# KiCad board edc-mux-board-fpga-main.kicad_pcb (continued)
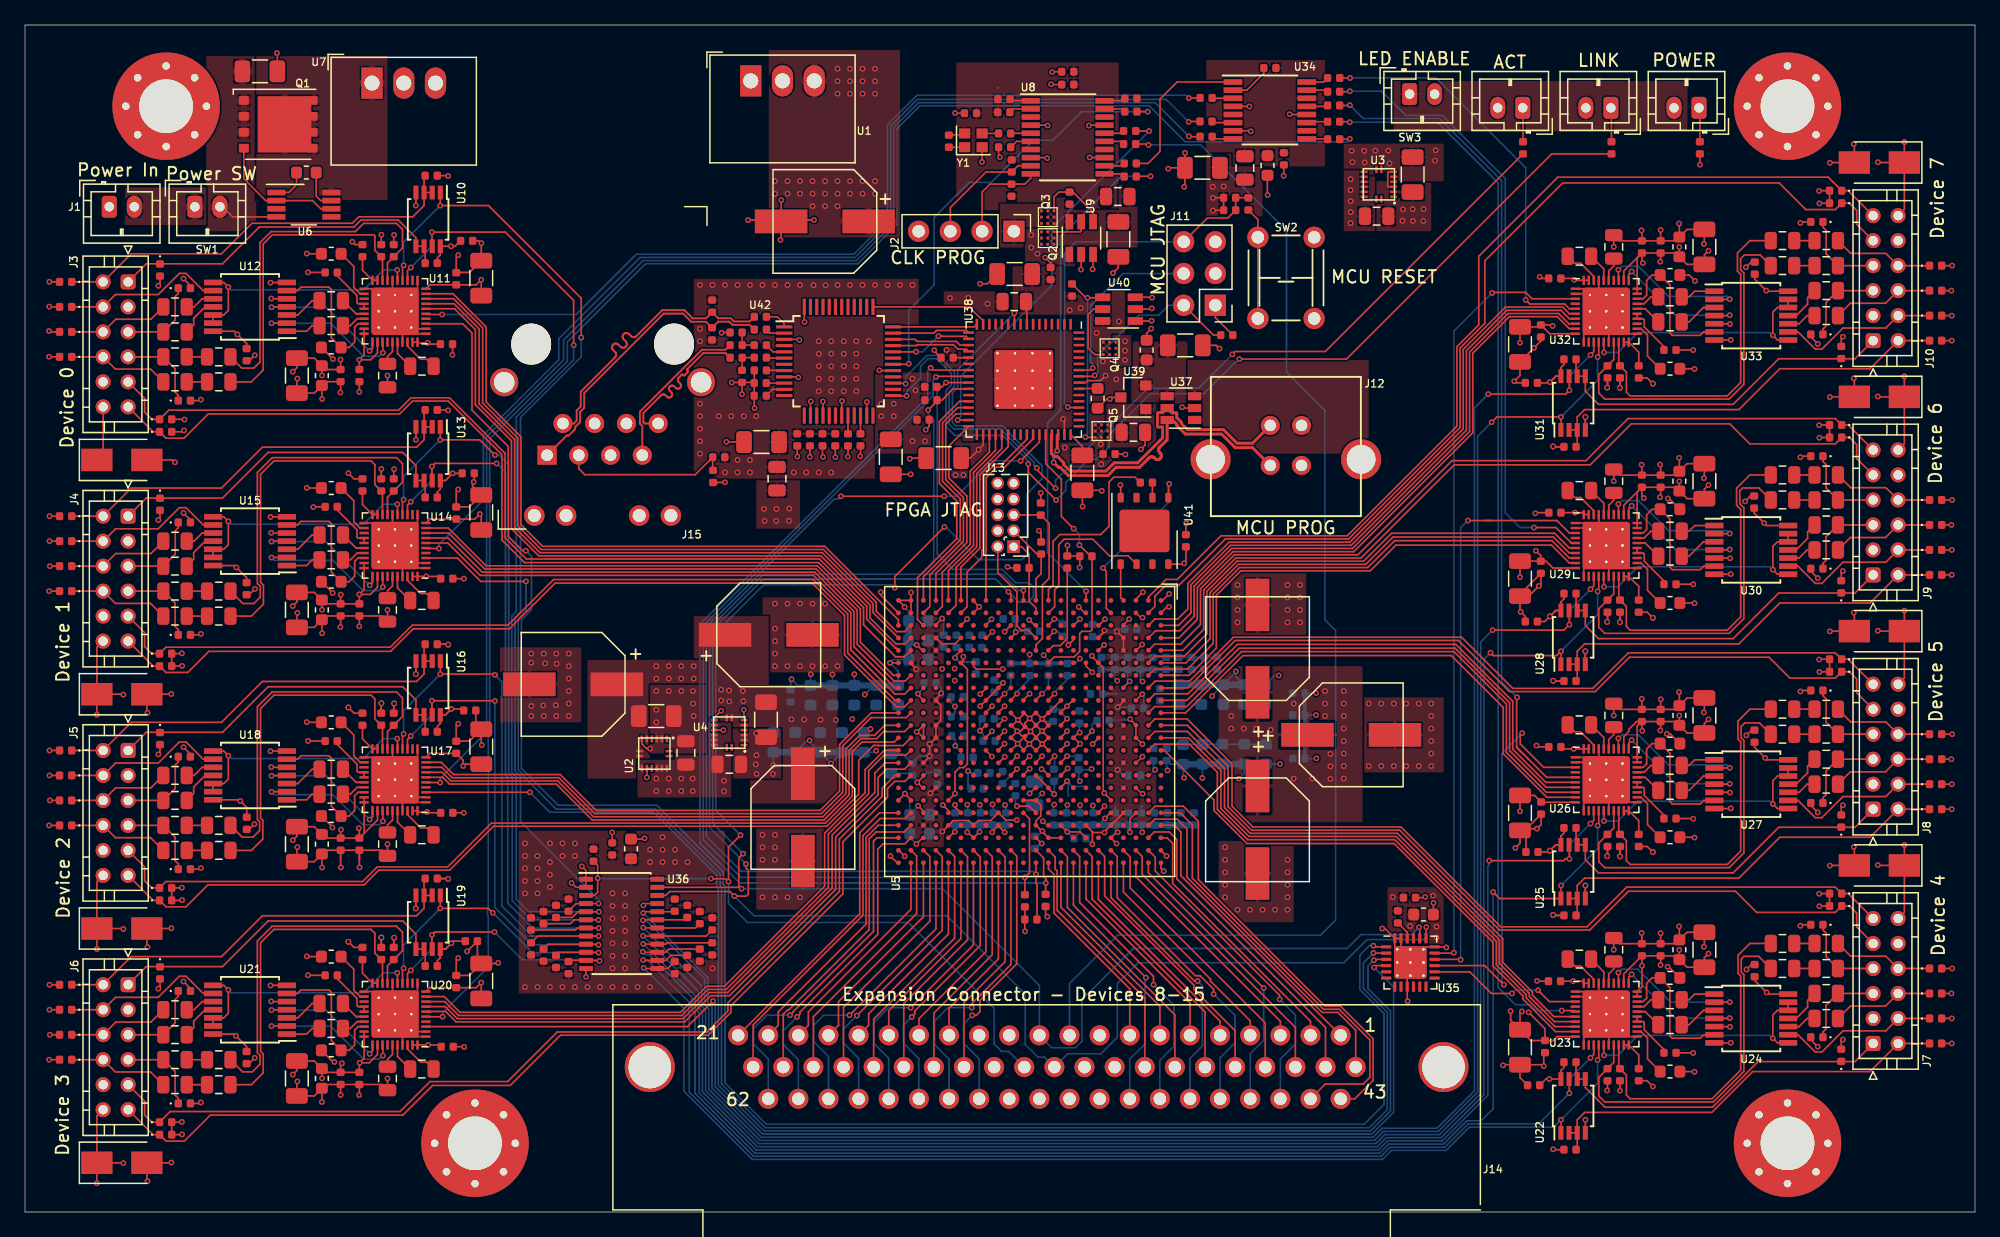
[diagram p0: board, top side]
## Routing (per net, layer and track width the routed paths; a pad name or vN(x,y) marks a point on that pad's centre or on a via; arc(x,y) is an arc through that point) (continued)
  Top w0.127: J14.3 100.43,15.27 88.88,26.83 U5.C22
/Bottom Side Connector Interconnects/DIN14: length 17.8
  Top w0.127: U5.F22 85.88,25.01 95.61,15.27 J14.5
/Bottom Side Connector Interconnects/DIN15: length 17.1
  Top w0.127: J14.7 90.79,16.47 82.88,24.39 U5.J22
/Bottom Side Connector Interconnects/DOUT8: length 18.9
  Top w0.127: J14.35 75.12,16.75 78.41,20.04 78.41,28.42 U5.P21
/Bottom Side Connector Interconnects/DOUT9: length 19.7
  Top w0.127: U5.U21 75.4,28.42 75.4,21.78 70.3,16.68 J14.37
/Bottom Side Connector Interconnects/DOUT10: length 20.4
  Top w0.127: J14.39 65.48,16.37 72.39,23.28 72.39,28.44 U5.Y21
/Bottom Side Connector Interconnects/DOUT11: length 25
  Top w0.127: U5.AA19 70.34,30.42 68.09,30.42 67.54,29.87 67.54,22.61 61.1,16.17 61,16.17 60.66,15.83 J14.41
/Bottom Side Connector Interconnects/DOUT12: length 29
  Top w0.127: J14.22 106.45,14.55 105.03,15.97 103.78,15.97 92.96,26.79 92.96,30.66 92.18,31.44 90.37,31.44 U5.B19
/Bottom Side Connector Interconnects/DOUT13: length 22.6
  Top w0.127: U5.C21 89.37,28.45 89.37,27.03 101.63,14.77 J14.24
/Bottom Side Connector Interconnects/DOUT14: length 21.9
  Top w0.127: U5.F21 86.37,28.45 86.37,25.3 93.51,18.16 93.51,17.81 96.81,14.51 J14.26
/Bottom Side Connector Interconnects/DOUT15: length 21.1
  Top w0.127: U5.J21 83.39,28.44 83.39,24.38 91.99,15.78 J14.28
/Bottom Side Connector Interconnects/WCLK8: length 19.5
  Top w0.127: J14.36 72.71,15.92 77.38,20.59 77.38,28.44 U5.R21
/Bottom Side Connector Interconnects/WCLK9: length 20.2
  Top w0.127: J14.38 67.89,15.44 74.37,21.92 74.37,28.45 U5.V21
/Bottom Side Connector Interconnects/WCLK10: length 21
  Top w0.127: U5.AA21 71.33,28.5 71.33,23.89 63.07,15.63 J14.40
/Bottom Side Connector Interconnects/WCLK11: length 26.8
  Top w0.127: U5.AA18 70.55,31.62 70.55,31.62 70.42,31.49 68.41,31.49 67.03,30.11 67.03,23.75 58.25,14.97 J14.42
/Bottom Side Connector Interconnects/WCLK12: length 25.9
  Top w0.127: U5.B20 90.34,30.42 91.54,30.42 92.14,29.82 92.14,26.67 104.04,14.77 J14.23
/Bottom Side Connector Interconnects/WCLK13: length 22
  Top w0.127: U5.D21 88.41,28.42 88.41,25.94 99.22,15.13 J14.25
/Bottom Side Connector Interconnects/WCLK14: length 21.3
  Top w0.127: J14.27 94.4,16.01 85.37,25.04 85.37,28.45 U5.G21
/Bottom Side Connector Interconnects/WCLK15: length 20.5
  Top w0.127: U5.K21 82.41,28.42 82.41,27.46 82.57,27.3 82.57,24.14 89.58,17.13 J14.29
/Bottom Side Connector Interconnects/~{RESET}I2C: length 126.2
  Top w0.127: v1(69.59,49.97) 69.59,50.86 v1(73.55,54.82) ; U36.3 45.56,25.33 45.81,25.59 45.81,27.74 R41.1 ; v1(57.24,30.16) 56.28,29.2 v1(56.28,26.44) 56.05,26.67 54.9,26.67 v1(54.88,26.69) ; U38.10 v1(79.15,71.95)
  Bottom w0.127: v1(69.59,49.97) 69.37,50.19 59.09,50.19 55.27,46.37 55.27,32.13 v1(57.24,30.16) ; v1(45.81,26.71) 45.84,26.69 v1(54.88,26.69) ; J14.33 78.69,12.85 78.13,12.85 77.53,13.45 77.53,16.3 70.66,23.17 57.8,23.17 56.28,24.69 v1(56.28,26.44) ; v1(73.55,54.82) 73.67,54.82 76.28,52.21 79.76,52.21 80.15,52.6 80.15,57.48 81.38,58.71 81.38,59.7 78.16,62.92 74.46,62.92 74.19,63.19 74.19,65.55 74.61,65.97 74.61,67.41 v1(79.15,71.95)
/Clocking/CLK_IN0: length 1.6
  Top w0.127: R2.1 78.87,86.34 U8.5
/Clocking/S0: length 1.7
  Top w0.127: 80.46,88.94 78.94,88.94 R4.1
/Clocking/S1: length 1.8
  Top w0.127: R5.2 79.06,88.28 U8.2
/Clocking/SCL: length 7.8
  Top w0.127: U8.10 80.46,82.73 79.99,82.27 R7.2 77.21,82.27 76.57,81.63 J2.2
/Clocking/SDA: length 9.7
  Top w0.127: J2.3 74.03,80.39 76.88,83.23 R6.2 79.44,83.73 U8.9
/CODEC interconnection sheet/BCLK0: length 58.4
  Top w0.127: U5.AA4 70.4,45.47 69.67,45.47 67.59,47.55 67.59,48.59 63.67,52.51 41.1,52.51 38.91,54.7 38.91,61.73 36.03,64.61 36.03,70.62 34.36,72.29 32.08,72.29
/CODEC interconnection sheet/BCLK1: length 45.8
  Top w0.127: 32.08,53.54 33.83,53.54 36.42,50.95 63.08,50.95 66.07,47.96 66.07,44.98 69.59,41.46 70.38,41.46 U5.AA8
/CODEC interconnection sheet/BCLK2: length 45.4
  Top w0.127: 32.08,34.79 33.42,34.79 33.96,34.25 42.5,34.25 45.37,31.38 63.93,31.38 65.93,33.38 65.93,36.94 66.86,37.88 68.12,37.88 68.69,38.45 70.38,38.45 U5.AA11
/CODEC interconnection sheet/BCLK3: length 51
  Top w0.127: U5.AA14 70.37,35.44 68.91,35.44 68.24,34.77 68.24,33.39 64.85,30 64.85,25.81 56.35,17.31 54.86,17.31 52.77,15.22 34.48,15.22 33.65,16.05 32.56,16.05 32.55,16.04 32.08,16.04
/CODEC interconnection sheet/BCLK4: length 46.9
  Top w0.127: U23.6 122.31,15.64 120.6,17.35 120.6,17.6 118.21,19.99 118.21,21.89 109.79,30.31 98.02,30.31 95.96,32.37 95.96,35.48 92.98,38.46 90.38,38.46 U5.B12
/CODEC interconnection sheet/BCLK5: length 42.8
  Top w0.127: U5.B9 90.41,41.48 93.05,41.48 97,45.43 114.46,45.43 119.02,40.87 119.02,37.03 121.66,34.39 U26.6
/CODEC interconnection sheet/BCLK6: length 40.9
  Top w0.127: U5.B6 90.41,44.49 92.75,44.49 94.55,46.29 94.55,49.68 96.96,52.09 107.09,52.09 109.32,54.32 122.37,54.32 123.55,53.14 U29.6
/CODEC interconnection sheet/BCLK7: length 49.8
  Top w0.127: U5.B3 90.38,47.46 92.22,47.46 93.02,48.26 93.02,50.31 96.33,53.61 105.99,53.61 115.06,62.68 115.06,69.04 118.44,72.42 123.02,72.42 123.55,71.89 U32.6
/CODEC interconnection sheet/DIN0: length 58.1
  Top w0.127: U5.AA3 70.38,46.45 69.73,46.45 68.1,48.08 68.1,48.8 63.88,53.02 41.31,53.02 39.42,54.91 39.42,61.94 36.61,64.75 36.61,70.76 34.28,73.09 32.08,73.09
/CODEC interconnection sheet/DIN1: length 45.5
  Top w0.127: U5.AA7 70.41,42.49 69.53,42.49 66.58,45.44 66.58,48.17 63.29,51.46 36.78,51.46 33.9,54.34 32.08,54.34
/CODEC interconnection sheet/DIN2: length 45.9
  Top w0.127: 32.08,35.59 33.34,35.59 34.17,34.76 42.71,34.76 45.58,31.89 63.72,31.89 65.42,33.59 65.42,37.31 67.68,39.57 70.49,39.57 U5.AA10
/CODEC interconnection sheet/DIN3: length 51.6
  Top w0.127: 32.08,16.84 33.58,16.84 34.69,15.73 52.55,15.73 54.64,17.82 56.1,17.82 64.27,25.99 64.27,30.26 67.49,33.48 67.49,35.33 68.73,36.57 70.49,36.57 U5.AA13
/CODEC interconnection sheet/DIN4: length 46.7
  Top w0.127: U5.B13 90.37,37.44 93.15,37.44 95.39,35.2 95.39,32.22 97.81,29.8 109.58,29.8 117.7,21.68 117.7,19.78 120.09,17.39 120.09,17.14 122.39,14.84 U23.8
/CODEC interconnection sheet/DIN5: length 43.1
  Top w0.127: U26.8 121.71,33.59 118.51,36.79 118.51,40.66 114.32,44.85 97.33,44.85 92.93,40.45 90.38,40.45 U5.B10
/CODEC interconnection sheet/DIN6: length 41.5
  Top w0.127: U5.B7 90.38,43.46 93.01,43.46 95.06,45.51 95.06,49.47 97.17,51.58 107.42,51.58 109.57,53.73 122.16,53.73 123.55,52.34 U29.8
/CODEC interconnection sheet/DIN7: length 50.4
  Top w0.127: U32.8 123.51,71.09 122.69,71.91 118.65,71.91 115.57,68.83 115.57,62.47 106.2,53.1 96.54,53.1 93.53,50.1 93.53,47.68 92.37,46.52 90.45,46.52 U5.B4
/CODEC interconnection sheet/DOUT0: length 56.7
  Top w0.127: 32.08,73.49 34.24,73.49 36.9,70.84 36.9,64.82 39.68,62.04 39.68,55.01 41.41,53.28 63.98,53.28 69.88,47.38 U5.AB3
/CODEC interconnection sheet/DOUT1: length 44.3
  Top w0.127: U5.AB7 69.48,42.95 66.83,45.6 66.83,48.27 63.38,51.72 36.88,51.72 33.86,54.74 32.08,54.74
/CODEC interconnection sheet/DOUT2: length 44.8
  Top w0.127: U5.AB10 67.7,39.95 65.16,37.41 65.16,33.69 63.61,32.14 45.69,32.14 42.82,35.01 34.28,35.01 33.3,35.99 32.08,35.99
/CODEC interconnection sheet/DOUT3: length 50.6
  Top w0.127: U5.AB13 68.75,36.95 67.21,35.41 67.21,33.56 63.97,30.32 63.97,26.08 55.96,18.07 54.53,18.07 52.44,15.98 34.8,15.98 33.54,17.24 32.08,17.24
/CODEC interconnection sheet/DOUT4: length 44.2
  Top w0.127: U23.9 122.43,14.44 119.84,17.03 119.84,17.28 117.45,19.67 117.45,21.57 109.53,29.49 97.76,29.49 95.11,32.14 95.11,32.98 91.14,36.95 U5.A13
/CODEC interconnection sheet/DOUT5: length 41.9
  Top w0.127: U5.A10 92.85,39.95 97.43,44.53 114.11,44.53 118.26,40.38 118.26,36.68 121.75,33.19 U26.9
/CODEC interconnection sheet/DOUT6: length 41.7
  Top w0.127: 92.31,42.95 U5.A7 ; 92.31,42.95 91.14,42.95 ; 92.31,42.95 93.13,42.95 95.31,45.13 95.31,49.36 97.26,51.31 107.61,51.31 109.67,53.37 122.12,53.37 123.55,51.94 U29.9
/CODEC interconnection sheet/DOUT7: length 49.4
  Top w0.127: U5.A4 92.31,45.95 93.79,47.43 93.79,49.99 96.64,52.85 106.31,52.85 115.82,62.36 115.82,68.72 118.75,71.66 122.58,71.66 123.55,70.69 U32.9
/CODEC interconnection sheet/Interface - Connector 0/AUD_GND: length 13
  Top w0.127: D1.1 J3.4 7.24,73.43 10.66,73.43 12.35,75.12 12.88,75.12 14.26,73.74 U12.9
/CODEC interconnection sheet/Interface - Connector 0/HP_~{LINE}_SEL: length 20.4
  Top w0.127: U12.8 15.9,74.39 v1(16.27,74.02) 16.27,72.16 15.9,71.79 U12.12 U12.13 ; 29.8,74.56 29.8,75.37 v1(29.78,75.39)
  Bottom w0.127: v1(29.78,75.39) 28.67,75.39 27.07,73.79 16.5,73.79 v1(16.27,74.02)
/CODEC interconnection sheet/Interface - Connector 0/HPL: length 11.3
  Top w0.127: U12.4 19.75,72.44 v1(19.72,72.41) ; v1(27.57,68.91) 27.8,69.14 U11.31
  Bottom w0.127: v1(19.72,72.41) 24.07,72.41 v1(27.57,68.91)
/CODEC interconnection sheet/Interface - Connector 0/HPR: length 12.2
  Top w0.127: v1(19.72,71.13) 19.73,71.14 U12.2 ; U11.33 28.63,69.59 v1(28.63,68.77)
  Bottom w0.127: v1(19.72,71.13) 24.44,71.13 27.08,68.49 28.35,68.49 v1(28.63,68.77)
/CODEC interconnection sheet/Interface - Connector 0/L_IN: length 29.3
  Top w0.127: C130.1 17.34,67.54 18.31,67.54 18.8,68.03 18.8,77.58 19.68,78.46 26.43,78.46 27.09,79.12 29.72,79.12 30.2,78.64 30.2,77.16 C118.2 29,75.95 29,74.56
/CODEC interconnection sheet/Interface - Connector 0/L_OUT: length 2.4
  Top w0.127: U12.10 14.17,73.09 13.53,72.44 FB3.2
/CODEC interconnection sheet/Interface - Connector 0/LINE_OUT_L: length 3.1
  Top w0.127: U12.3 21.83,71.79 22.97,72.94 C127.1
/CODEC interconnection sheet/Interface - Connector 0/LINE_OUT_R: length 2.8
  Top w0.127: C128.1 22.97,70.94 22.53,70.49 U12.1
/CODEC interconnection sheet/Interface - Connector 0/R_IN: length 26.2
  Top w0.127: C121.2 18.11,66.44 19.05,67.38 19.05,77.47 19.79,78.21 27.89,78.21 27.99,78.11 27.99,76.97 C120.2 28.6,76.35 28.6,74.56
/CODEC interconnection sheet/Interface - Connector 0/R_OUT: length 3.3
  Top w0.127: U12.11 14.41,72.44 13.49,71.53 13.49,71 FB6.1
/CODEC interconnection sheet/Interface - Connector 0/REF: length 4.1
  Top w0.127: C124.2 26.3,75.68 26.3,74 26.81,73.49 U11.22
/CODEC interconnection sheet/Interface - Connector 0/SCL_HV: length 28.4
  Top w0.127: R15.2 32.02,77.2 U10.6 U10.5 31.28,77.97 29.85,79.4 26.89,79.4 26.33,78.84 18.75,78.84 15.8,75.89 9.7,75.89 J3.1
/CODEC interconnection sheet/Interface - Connector 0/SDA_HV: length 33.8
  Top w0.127: U10.2 U10.3 ; U10.3 31.92,82.85 R16.2 ; U10.3 31.92,80.56 31.02,79.65 26.7,79.65 26.18,79.13 18.16,79.13 15.72,76.69 8.5,76.69 J3.2 D4.1
/CODEC interconnection sheet/Interface - Connector 0/VNEG: length 1.9
  Top w0.127: C126.2 29,68.47 29.4,68.87 U11.35
/CODEC interconnection sheet/Interface - Connector 1/AUD_GND: length 13
  Top w0.127: U15.9 14.26,54.99 12.88,56.37 12.35,56.37 10.66,54.68 7.24,54.68 J4.4 D11.1
/CODEC interconnection sheet/Interface - Connector 1/HP_~{LINE}_SEL: length 20.4
  Top w0.127: U14.15 29.8,56.62 v1(29.78,56.64) ; U15.13 U15.12 15.9,53.04 16.27,53.41 v1(16.27,55.27) 15.9,55.64 U15.8
  Bottom w0.127: v1(16.27,55.27) 16.5,55.04 27.07,55.04 28.67,56.64 v1(29.78,56.64)
/CODEC interconnection sheet/Interface - Connector 1/HPL: length 11.3
  Top w0.127: v1(27.57,50.16) 27.8,50.39 27.8,50.86 ; U15.4 19.75,53.69 v1(19.72,53.66)
  Bottom w0.127: v1(27.57,50.16) 24.07,53.66 v1(19.72,53.66)
/CODEC interconnection sheet/Interface - Connector 1/HPR: length 12.2
  Top w0.127: 28.6,50.86 28.63,50.83 v1(28.63,50.02) ; U15.2 19.73,52.39 v1(19.72,52.38)
  Bottom w0.127: v1(19.72,52.38) 19.95,52.15 24.62,52.15 27.03,49.74 28.35,49.74 v1(28.63,50.02)
/CODEC interconnection sheet/Interface - Connector 1/L_IN: length 29.9
  Top w0.127: U14.17 29,57.2 C138.2 30.2,58.41 30.2,59.89 29.72,60.37 19.77,60.37 18.59,59.19 18.59,50.3 18.82,50.07 18.82,49.21 18.31,48.7 17.43,48.7 C150.1
/CODEC interconnection sheet/Interface - Connector 1/L_OUT: length 2.4
  Top w0.127: U15.10 14.17,54.34 13.53,53.69 FB8.2
/CODEC interconnection sheet/Interface - Connector 1/LINE_OUT_L: length 3.1
  Top w0.127: U15.3 21.83,53.04 22.97,54.19 C147.1
/CODEC interconnection sheet/Interface - Connector 1/LINE_OUT_R: length 2.8
  Top w0.127: U15.1 22.53,51.74 22.97,52.19 C148.1
/CODEC interconnection sheet/Interface - Connector 1/R_IN: length 27.5
  Top w0.127: U14.18 28.6,57.61 C140.2 27.99,58.22 27.99,59.81 27.68,60.12 19.92,60.12 18.84,59.04 18.84,50.4 19.07,50.18 19.07,48.65 18.11,47.69 C141.2
/CODEC interconnection sheet/Interface - Connector 1/R_OUT: length 3.3
  Top w0.127: FB11.1 13.49,52.25 13.49,52.78 14.41,53.69 U15.11
/CODEC interconnection sheet/Interface - Connector 1/REF: length 4.1
  Top w0.127: U14.22 26.81,54.74 26.3,55.25 26.3,56.93 C144.2
/CODEC interconnection sheet/Interface - Connector 1/SCL_HV: length 28.8
  Top w0.127: J4.1 9.7,57.14 15.8,57.14 19.45,60.79 30.22,60.79 31.28,59.73 U13.5 U13.6 32.02,58.45 R17.2
/CODEC interconnection sheet/Interface - Connector 1/SDA_HV: length 33.8
  Top w0.127: D14.1 J4.2 8.5,57.94 15.72,57.94 18.99,61.21 31.33,61.21 31.92,61.81 U13.3 ; U13.2 U13.3 ; U13.3 31.92,64.1 R18.2
/CODEC interconnection sheet/Interface - Connector 1/VNEG: length 1.9
  Top w0.127: C146.2 29,49.72 29.4,50.11 29.4,50.86
/CODEC interconnection sheet/Interface - Connector 2/AUD_GND: length 13
  Top w0.127: U18.9 14.26,36.24 12.88,37.62 12.35,37.62 10.66,35.93 7.24,35.93 J5.4 D21.1
/CODEC interconnection sheet/Interface - Connector 2/HP_~{LINE}_SEL: length 20.4
  Top w0.127: v1(29.78,37.89) 29.8,37.87 U17.15 ; U18.8 15.9,36.89 v1(16.27,36.52) 16.27,34.66 15.9,34.29 U18.12 U18.13
  Bottom w0.127: v1(16.27,36.52) 16.5,36.29 27.07,36.29 28.67,37.89 v1(29.78,37.89)
/CODEC interconnection sheet/Interface - Connector 2/HPL: length 11.3
  Top w0.127: U17.31 27.8,31.64 v1(27.57,31.41) ; U18.4 19.75,34.94 v1(19.72,34.91)
  Bottom w0.127: v1(19.72,34.91) 24.07,34.91 v1(27.57,31.41)
/CODEC interconnection sheet/Interface - Connector 2/HPR: length 12.2
  Top w0.127: U18.2 19.73,33.64 v1(19.72,33.63) ; U17.33 28.63,32.08 v1(28.63,31.27)
  Bottom w0.127: v1(28.63,31.27) 28.35,30.99 27.03,30.99 24.62,33.4 19.95,33.4 v1(19.72,33.63)
/CODEC interconnection sheet/Interface - Connector 2/L_IN: length 29.8
  Top w0.127: C170.1 17.38,30 18.24,30 18.77,30.53 18.77,31.24 18.59,31.42 18.59,40.44 19.77,41.62 29.72,41.62 30.2,41.14 30.2,39.66 C158.2 29,38.45 U17.17
/CODEC interconnection sheet/Interface - Connector 2/L_OUT: length 2.4
  Top w0.127: U18.10 14.17,35.59 13.53,34.94 FB13.2
/CODEC interconnection sheet/Interface - Connector 2/LINE_OUT_L: length 3.1
  Top w0.127: C167.1 22.97,35.44 21.83,34.29 U18.3
/CODEC interconnection sheet/Interface - Connector 2/LINE_OUT_R: length 2.8
  Top w0.127: U18.1 22.53,32.99 22.97,33.44 C168.1
/CODEC interconnection sheet/Interface - Connector 2/R_IN: length 27.4
  Top w0.127: U17.18 28.6,38.86 C160.2 27.99,39.47 27.99,41.06 27.68,41.37 19.92,41.37 18.84,40.29 18.84,31.52 19.02,31.35 19.02,29.85 18.11,28.94 C161.2
/CODEC interconnection sheet/Interface - Connector 2/R_OUT: length 3.3
  Top w0.127: FB16.1 13.49,33.5 13.49,34.03 14.41,34.94 U18.11
/CODEC interconnection sheet/Interface - Connector 2/REF: length 4.1
  Top w0.127: U17.22 26.81,35.99 26.3,36.5 26.3,38.18 C164.2
/CODEC interconnection sheet/Interface - Connector 2/SCL_HV: length 28.8
  Top w0.127: J5.1 9.7,38.39 15.8,38.39 19.45,42.04 30.22,42.04 31.28,40.98 U16.5 U16.6 32.02,39.7 R19.2
/CODEC interconnection sheet/Interface - Connector 2/SDA_HV: length 33.8
  Top w0.127: D24.1 J5.2 8.5,39.19 15.72,39.19 18.99,42.46 31.33,42.46 31.92,43.06 U16.3 ; U16.2 U16.3 ; U16.3 31.92,45.35 R20.2
/CODEC interconnection sheet/Interface - Connector 2/VNEG: length 1.9
  Top w0.127: U17.35 29.4,31.36 29,30.97 C166.2
/CODEC interconnection sheet/Interface - Connector 3/AUD_GND: length 13
  Top w0.127: U21.9 14.26,17.49 12.88,18.87 12.35,18.87 10.66,17.18 7.24,17.18 J6.4 D31.1
/CODEC interconnection sheet/Interface - Connector 3/HP_~{LINE}_SEL: length 20.4
  Top w0.127: U20.15 29.8,19.12 v1(29.78,19.14) ; U21.8 15.9,18.14 v1(16.27,17.77) 16.27,15.91 15.9,15.54 U21.12 U21.13
  Bottom w0.127: v1(29.78,19.14) 28.67,19.14 27.07,17.54 16.5,17.54 v1(16.27,17.77)
/CODEC interconnection sheet/Interface - Connector 3/HPL: length 11.3
  Top w0.127: v1(19.72,16.16) 19.75,16.19 U21.4 ; 27.8,13.36 27.8,12.89 v1(27.57,12.66)
  Bottom w0.127: v1(27.57,12.66) 24.07,16.16 v1(19.72,16.16)
/CODEC interconnection sheet/Interface - Connector 3/HPR: length 12.2
  Top w0.127: v1(28.63,12.52) 28.63,13.33 28.6,13.36 ; v1(19.72,14.88) 19.73,14.89 U21.2
  Bottom w0.127: v1(19.72,14.88) 24.45,14.88 27.09,12.24 28.35,12.24 v1(28.63,12.52)
/CODEC interconnection sheet/Interface - Connector 3/L_IN: length 29.8
  Top w0.127: C190.1 17.41,11.22 18.19,11.22 18.8,11.83 18.8,12.54 18.59,12.75 18.59,21.69 19.77,22.87 29.72,22.87 30.2,22.39 30.2,20.91 C178.2 29,19.7 U20.17
/CODEC interconnection sheet/Interface - Connector 3/L_OUT: length 2.4
  Top w0.127: FB18.2 13.53,16.19 14.17,16.84 U21.10
/CODEC interconnection sheet/Interface - Connector 3/LINE_OUT_L: length 3.1
  Top w0.127: C187.1 22.97,16.69 21.83,15.54 U21.3
/CODEC interconnection sheet/Interface - Connector 3/LINE_OUT_R: length 2.8
  Top w0.127: U21.1 22.53,14.24 22.97,14.69 C188.1
/CODEC interconnection sheet/Interface - Connector 3/R_IN: length 27.5
  Top w0.127: U20.18 28.6,20.11 C180.2 27.99,20.72 27.99,22.31 27.68,22.62 19.92,22.62 18.84,21.54 18.84,12.85 19.05,12.65 19.05,11.13 18.11,10.19 C181.2
/CODEC interconnection sheet/Interface - Connector 3/R_OUT: length 3.3
  Top w0.127: U21.11 14.41,16.19 13.49,15.28 13.49,14.75 FB21.1
/CODEC interconnection sheet/Interface - Connector 3/REF: length 4.1
  Top w0.127: U20.22 26.81,17.24 26.3,17.75 26.3,19.43 C184.2
/CODEC interconnection sheet/Interface - Connector 3/SCL_HV: length 28.8
  Top w0.127: J6.1 9.7,19.64 15.8,19.64 19.45,23.29 30.22,23.29 31.28,22.23 U19.5 U19.6 32.02,20.95 R21.2
/CODEC interconnection sheet/Interface - Connector 3/SDA_HV: length 33.8
  Top w0.127: U19.2 U19.3 ; U19.3 31.92,26.6 R22.2 ; U19.3 31.92,24.31 31.33,23.71 18.99,23.71 15.72,20.44 8.5,20.44 J6.2 D34.1
/CODEC interconnection sheet/Interface - Connector 3/VNEG: length 1.9
  Top w0.127: C186.2 29,12.22 29.4,12.61 29.4,13.36
/CODEC interconnection sheet/Interface - Connector 4/AUD_GND: length 13
  Top w0.127: D41.1 J7.4 148.86,14.5 145.44,14.5 143.75,12.81 143.22,12.81 141.84,14.19 U24.9
/CODEC interconnection sheet/Interface - Connector 4/HP_~{LINE}_SEL: length 20.4
  Top w0.127: U24.8 140.2,13.54 v1(139.83,13.91) 139.83,15.77 140.2,16.14 U24.12 U24.13 ; v1(126.32,12.54) 126.3,12.56 126.3,13.36
  Bottom w0.127: v1(139.83,13.91) 139.6,14.14 129.03,14.14 127.43,12.54 v1(126.32,12.54)
/CODEC interconnection sheet/Interface - Connector 4/HPL: length 11.3
  Top w0.127: U23.31 128.3,18.79 v1(128.53,19.02) ; U24.4 136.35,15.49 v1(136.38,15.52)
  Bottom w0.127: v1(128.53,19.02) 132.03,15.52 v1(136.38,15.52)
/CODEC interconnection sheet/Interface - Connector 4/HPR: length 12.2
  Top w0.127: U23.33 127.47,18.34 v1(127.47,19.16) ; v1(136.38,16.8) 136.37,16.79 U24.2
  Bottom w0.127: v1(136.38,16.8) 131.65,16.8 129.01,19.44 127.75,19.44 v1(127.47,19.16)
/CODEC interconnection sheet/Interface - Connector 4/L_IN: length 29.3
  Top w0.127: 127.1,13.36 127.1,11.97 C198.2 125.9,10.78 125.9,9.29 126.38,8.81 135.06,8.81 137.51,11.26 137.51,19 137.3,19.21 137.3,20.24 137.52,20.46 138.69,20.46 C210.1
/CODEC interconnection sheet/Interface - Connector 4/L_OUT: length 2.4
  Top w0.127: U24.10 141.93,14.84 142.57,15.49 FB23.2
/CODEC interconnection sheet/Interface - Connector 4/LINE_OUT_L: length 3.1
  Top w0.127: U24.3 134.28,16.14 133.12,14.99 C207.1
/CODEC interconnection sheet/Interface - Connector 4/LINE_OUT_R: length 2.8
  Top w0.127: C208.1 133.12,16.99 133.57,17.44 U24.1
/CODEC interconnection sheet/Interface - Connector 4/R_IN: length 26.7
  Top w0.127: C201.2 137.99,21.49 137.05,20.55 137.05,19.1 137.26,18.9 137.26,11.36 134.96,9.06 128.42,9.06 128.11,9.37 128.11,10.96 C200.2 127.5,11.58 127.5,13.36
/CODEC interconnection sheet/Interface - Connector 4/R_OUT: length 3.3
  Top w0.127: U24.11 141.69,15.49 142.61,16.4 142.61,16.93 FB26.1
/CODEC interconnection sheet/Interface - Connector 4/REF: length 4.1
  Top w0.127: U23.22 129.29,14.44 129.8,13.93 129.8,12.25 C204.2
/CODEC interconnection sheet/Interface - Connector 4/SCL_HV: length 28.5
  Top w0.127: J7.1 146.4,12.04 138.65,12.04 135,8.39 126.4,8.39 124.82,9.96 U22.5 124.18,10.64 124.09,10.73 R23.2
/CODEC interconnection sheet/Interface - Connector 4/SDA_HV: length 33.8
  Top w0.127: U22.2 124.18,6.34 ; 124.18,6.34 124.18,5.08 R24.2 ; 124.18,6.34 124.18,7.38 124.77,7.97 134.94,7.97 138.21,11.24 147.6,11.24 J7.2 D44.1
/CODEC interconnection sheet/Interface - Connector 4/VNEG: length 1.9
  Top w0.127: C206.2 127.1,19.47 126.7,19.06 U23.35
/CODEC interconnection sheet/Interface - Connector 5/AUD_GND: length 13
  Top w0.127: D51.1 J8.4 148.86,33.25 145.44,33.25 143.75,31.56 143.22,31.56 141.84,32.94 U27.9
/CODEC interconnection sheet/Interface - Connector 5/HP_~{LINE}_SEL: length 20.4
  Top w0.127: U27.13 U27.12 140.2,34.89 139.83,34.52 v1(139.83,32.66) 140.2,32.29 U27.8 ; v1(126.32,31.29) 126.3,31.31 U26.15
  Bottom w0.127: v1(126.32,31.29) 127.43,31.29 129.03,32.89 139.6,32.89 v1(139.83,32.66)
/CODEC interconnection sheet/Interface - Connector 5/HPL: length 11.3
  Top w0.127: U26.31 128.3,37.54 v1(128.53,37.77) ; U27.4 136.35,34.24 v1(136.38,34.27)
  Bottom w0.127: v1(136.38,34.27) 132.03,34.27 v1(128.53,37.77)
/CODEC interconnection sheet/Interface - Connector 5/HPR: length 12.2
  Top w0.127: U27.2 136.37,35.54 v1(136.38,35.55) ; U26.33 127.47,37.09 v1(127.47,37.91)
  Bottom w0.127: v1(127.47,37.91) 127.75,38.19 129.07,38.19 131.48,35.78 136.15,35.78 v1(136.38,35.55)
/CODEC interconnection sheet/Interface - Connector 5/L_IN: length 29.9
  Top w0.127: U26.17 127.1,30.72 C218.2 125.9,29.53 125.9,28.04 126.38,27.56 136.33,27.56 137.51,28.74 137.51,37.73 137.29,37.95 137.29,38.85 137.58,39.14 138.76,39.14 C230.1
/CODEC interconnection sheet/Interface - Connector 5/L_OUT: length 2.4
  Top w0.127: FB28.2 142.57,34.24 141.93,33.59 U27.10
/CODEC interconnection sheet/Interface - Connector 5/LINE_OUT_L: length 3.1
  Top w0.127: U27.3 134.28,34.89 133.12,33.74 C227.1
/CODEC interconnection sheet/Interface - Connector 5/LINE_OUT_R: length 2.8
  Top w0.127: U27.1 133.57,36.19 133.12,35.74 C228.1
/CODEC interconnection sheet/Interface - Connector 5/R_IN: length 27.5
  Top w0.127: C221.2 137.99,40.24 137.04,39.29 137.04,37.84 137.26,37.63 137.26,28.89 136.18,27.81 128.42,27.81 128.11,28.12 128.11,29.71 C220.2 127.5,30.33 U26.18
/CODEC interconnection sheet/Interface - Connector 5/R_OUT: length 3.3
  Top w0.127: U27.11 141.69,34.24 142.61,35.15 142.61,35.68 FB31.1
/CODEC interconnection sheet/Interface - Connector 5/REF: length 4.1
  Top w0.127: U26.22 129.29,33.19 129.8,32.68 129.8,31 C224.2
/CODEC interconnection sheet/Interface - Connector 5/SCL_HV: length 28.8
  Top w0.127: R25.2 124.09,29.48 124.18,29.39 U25.5 124.82,28.19 125.88,27.14 136.65,27.14 140.3,30.79 146.4,30.79 J8.1
/CODEC interconnection sheet/Interface - Connector 5/SDA_HV: length 33.8
  Top w0.127: U25.2 124.18,25.09 ; 124.18,25.09 124.18,23.83 R26.2 ; 124.18,25.09 124.18,26.12 124.77,26.72 137.11,26.72 140.38,29.99 147.6,29.99 J8.2 D54.1
/CODEC interconnection sheet/Interface - Connector 5/VNEG: length 1.9
  Top w0.127: C226.2 127.1,38.22 126.7,37.81 U26.35
/CODEC interconnection sheet/Interface - Connector 6/AUD_GND: length 13
  Top w0.127: D61.1 J9.4 148.86,52 145.44,52 143.75,50.31 143.22,50.31 141.84,51.69 U30.9
/CODEC interconnection sheet/Interface - Connector 6/HP_~{LINE}_SEL: length 20.4
  Top w0.127: 126.3,50.86 126.3,50.06 v1(126.32,50.04) ; U30.13 U30.12 140.2,53.64 139.83,53.27 v1(139.83,51.41) 140.2,51.04 U30.8
  Bottom w0.127: v1(139.83,51.41) 139.6,51.64 129.03,51.64 127.43,50.04 v1(126.32,50.04)
/CODEC interconnection sheet/Interface - Connector 6/HPL: length 11.3
  Top w0.127: v1(128.53,56.52) 128.3,56.29 U29.31 ; v1(136.38,53.02) 136.35,52.99 U30.4
  Bottom w0.127: v1(136.38,53.02) 132.03,53.02 v1(128.53,56.52)
/CODEC interconnection sheet/Interface - Connector 6/HPR: length 12.2
  Top w0.127: U29.33 127.47,55.84 v1(127.47,56.66) ; v1(136.38,54.3) 136.37,54.29 U30.2
  Bottom w0.127: v1(136.38,54.3) 136.15,54.53 131.48,54.53 129.07,56.94 127.75,56.94 v1(127.47,56.66)
/CODEC interconnection sheet/Interface - Connector 6/L_IN: length 30.2
  Top w0.127: 127.1,50.86 127.1,49.47 C238.2 125.9,48.28 125.9,46.79 126.38,46.31 136.33,46.31 137.51,47.49 137.51,56.36 137.18,56.69 137.18,57.71 137.42,57.95 138.71,57.95 C250.1
/CODEC interconnection sheet/Interface - Connector 6/L_OUT: length 2.4
  Top w0.127: FB33.2 142.57,52.99 141.93,52.34 U30.10
/CODEC interconnection sheet/Interface - Connector 6/LINE_OUT_L: length 3.1
  Top w0.127: C247.1 133.12,52.49 134.28,53.64 U30.3
/CODEC interconnection sheet/Interface - Connector 6/LINE_OUT_R: length 2.8
  Top w0.127: U30.1 133.57,54.94 133.12,54.49 C248.1
